# Altium PCB PCB1.PcbDoc (part 1 of 4) (continued)
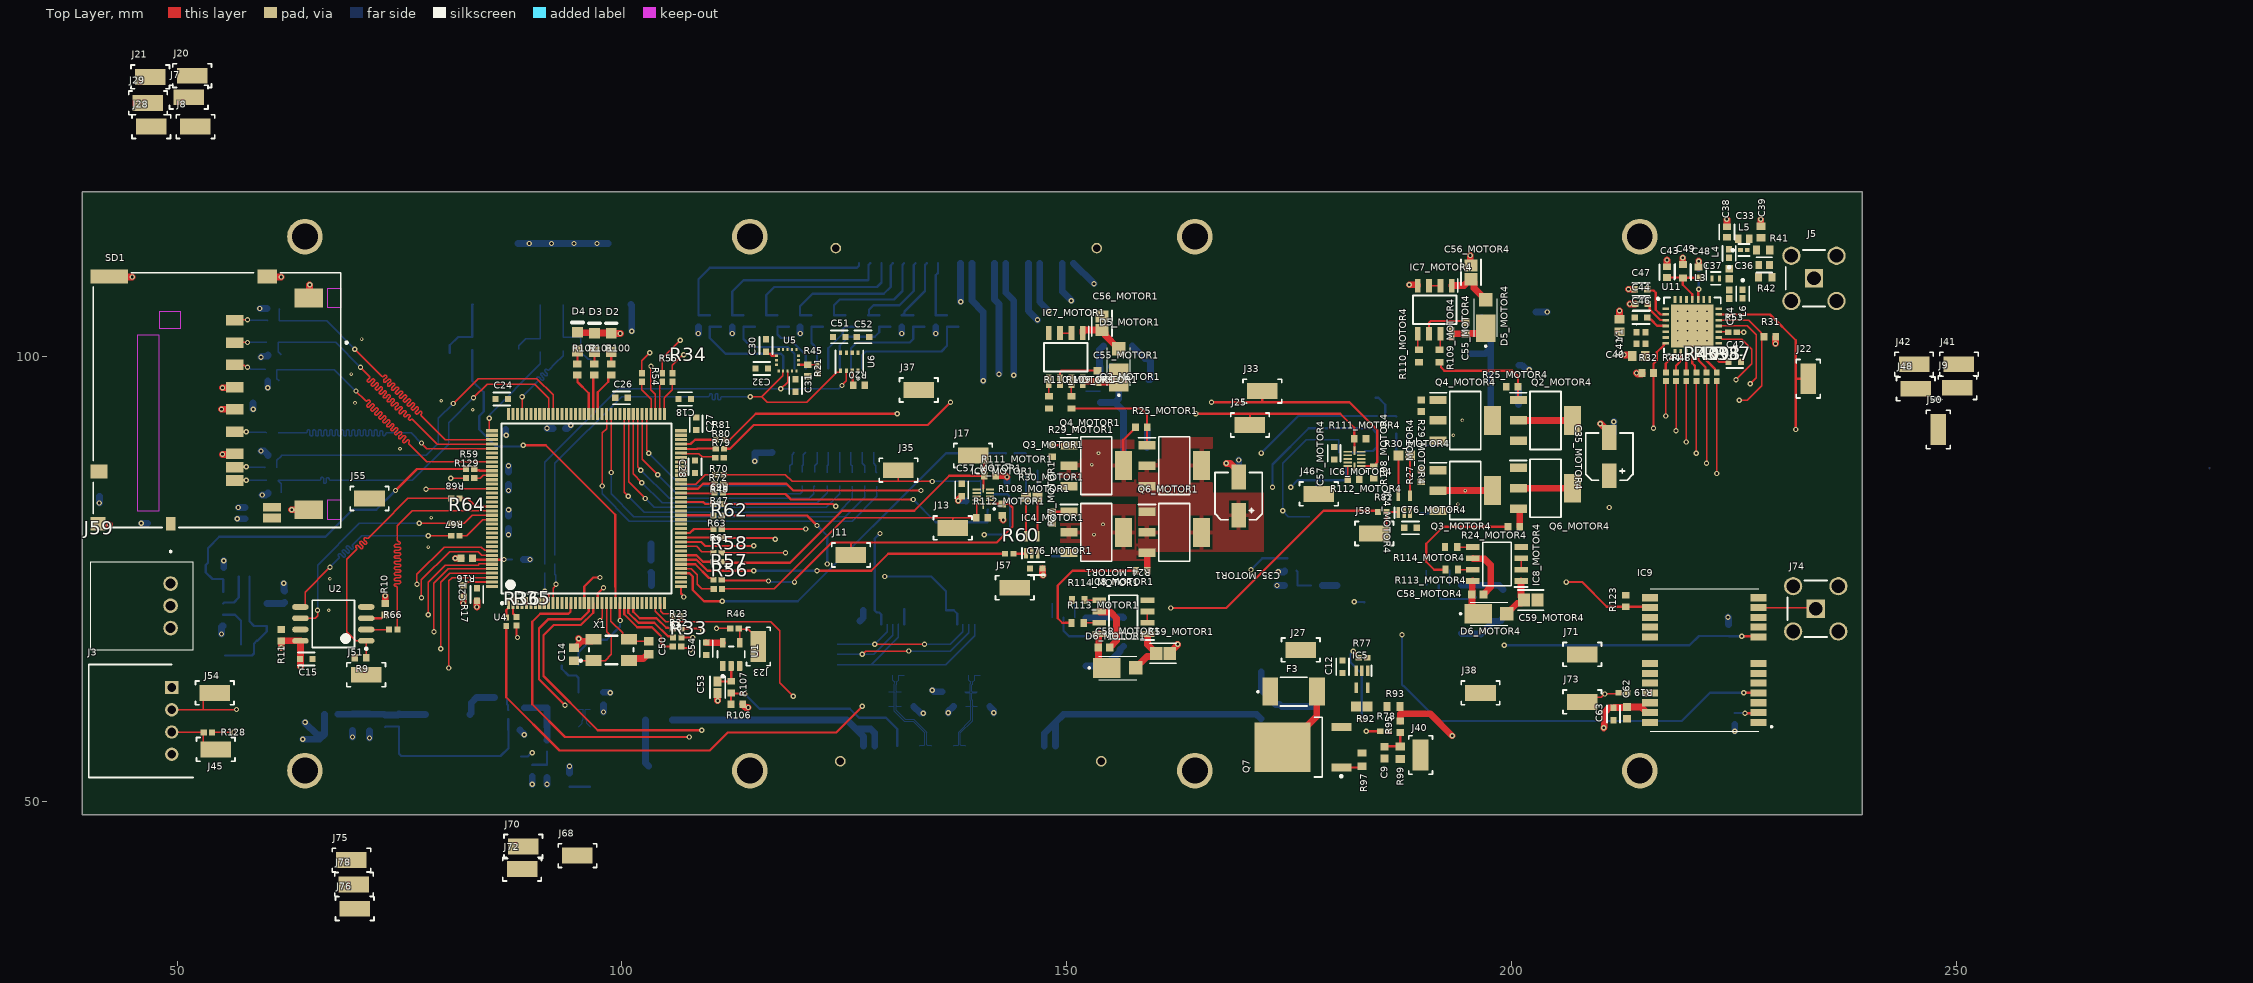
[diagram p0: Top Layer view]
## Components (designator, comment, footprint, x,y, rotation, side; value= is the part's Value field where it differs from the comment) (continued)
IC4_MOTOR3 "INA290A4QDCKRQ1" SOT65P210X110-5N 146.05,88.138 r270 bottom (schematic designator IC4)
IC4_MOTOR4 "INA290A4QDCKRQ1" SOT65P210X110-5N 187.898,83.439 r90 top (schematic designator IC4)
IC5 "INA290A4QDCKRQ1" SOT65P210X110-5N 183.134,63.754 r270 top
IC6_MOTOR1 "TMUX1072RUTR" QFN40P170X200X55-12N 140.601,84.29 r180 top (schematic designator IC6)
IC6_MOTOR2 "TMUX1072RUTR" QFN40P170X200X55-12N 181.368,88.411 r180 bottom (schematic designator IC6)
IC6_MOTOR3 "TMUX1072RUTR" QFN40P170X200X55-12N 141.085,83.712 r180 bottom (schematic designator IC6)
IC6_MOTOR4 "TMUX1072RUTR" QFN40P170X200X55-12N 182.31,88.519 r180 top (schematic designator IC6)
IC7_MOTOR1 "IR2301SPBF" SOIC127P600X175-8N#1 149.86,99.949 r270 top (schematic designator IC7)
IC7_MOTOR2 "IR2301SPBF" SOIC127P600X175-8N#1 192.405,71.628 r90 bottom (schematic designator IC7)
IC7_MOTOR3 "IR2301SPBF" SOIC127P600X175-8N#1 150.241,67.945 r90 bottom (schematic designator IC7)
IC7_MOTOR4 "IR2301SPBF" SOIC127P600X175-8N#1 191.327,105.283 r270 top (schematic designator IC7)
IC8_MOTOR1 "IR2301SPBF" SOIC127P600X175-8N#1 156.337,70.739 r180 top (schematic designator IC8)
IC8_MOTOR2 "IR2301SPBF" SOIC127P600X175-8N#1 198.075,100.957 r180 bottom (schematic designator IC8)
IC8_MOTOR3 "IR2301SPBF" SOIC127P600X175-8N#1 156.464,95.504 r180 bottom (schematic designator IC8)
IC8_MOTOR4 "IR2301SPBF" SOIC127P600X175-8N#1 198.312,76.708 r180 top (schematic designator IC8)
IC9 "NEO-7N-0-002" NEO7N0002 221.623,65.915 r0 top
IC10 "74HC7540D,112" SOIC127P1032X265-20N 122.555,93.98 r270 bottom
J1 "TFM-120-02-L-D-WT-K-TR" SAMTEC_TFM-120-02-L-D-WT-K-TR 138.684,112.205 r0 bottom
J2 "5015" FP-5015-MFG 134.239,74.295 r270 bottom
J3 "53426-0410" SHDRRA4W55P0X250_1X4_1240X1150X690P 49.403,62.825 r90 top
J4 "5015" FP-5015-MFG 63.881,76.2 r270 bottom
J5 "731000114" MOLX-731000114_V 233.934,108.804 r180 top
J6 "5015" FP-5015-MFG 66.548,57.531 r0 bottom
J7 "5015" FP-5015-MFG 51.308,129.159 r0 top
J8 "5015" FP-5015-MFG 52.07,125.857 r0 top
J9 "5015" FP-5015-MFG 250.063,96.52 r0 top
J11 "5015" FP-5015-MFG 125.73,77.724 r0 top
J12 "5015" FP-5015-MFG 176.53,96.774 r180 bottom
J13 "5015" FP-5015-MFG 137.16,80.772 r0 top
J14 "5015" FP-5015-MFG 137.287,80.137 r180 bottom
J15 "5015" FP-5015-MFG 71.628,87.503 r180 bottom
J16 "5015" FP-5015-MFG 134.62,91.186 r180 bottom
J17 "5015" FP-5015-MFG 139.446,88.9 r0 top
J18 "5015" FP-5015-MFG 93.218,65.278 r90 bottom
J19 "5015" FP-5015-MFG 178.689,77.47 r180 bottom
J20 "5015" FP-5015-MFG 51.695,131.578 r0 top
J21 "5015" FP-5015-MFG 46.99,131.445 r0 top
J22 "5015" FP-5015-MFG 233.299,97.536 r90 top
J23 "5015" FP-5015-MFG 115.316,67.437 r270 top
J24 "5015" FP-5015-MFG 177.292,82.042 r180 bottom
J25 "5015" FP-5015-MFG 170.561,92.329 r0 top
J26 "5015" FP-5015-MFG 86.995,52.197 r180 bottom
J27 "5015" FP-5015-MFG 176.276,67.056 r0 top
J28 "5015" FP-5015-MFG 47.117,125.857 r0 top
J29 "5015" FP-5015-MFG 46.736,128.524 r0 top
J32 "5015" FP-5015-MFG 133.35,96.266 r180 bottom
J33 "5015" FP-5015-MFG 171.958,96.139 r0 top
J34 "5015" FP-5015-MFG 178.054,84.709 r180 bottom
J35 "5015" FP-5015-MFG 131.064,87.249 r0 top
J36 "5015" FP-5015-MFG 184.658,95.377 r180 bottom
J37 "5015" FP-5015-MFG 133.35,96.266 r0 top
J38 "5015" FP-5015-MFG 196.469,62.23 r0 top
J39 "5015" FP-5015-MFG 184.404,74.422 r0 bottom
J40 "5015" FP-5015-MFG 189.738,55.245 r90 top
J41 "5015" FP-5015-MFG 250.226,99.156 r0 top
J42 "5015" FP-5015-MFG 245.187,99.156 r0 top
J45 "5015" FP-5015-MFG 54.356,55.88 r0 top
J46 "5015" FP-5015-MFG 178.308,84.582 r0 top
J47 "5015" FP-5015-MFG 144.018,93.218 r180 bottom
J48 "5015" FP-5015-MFG 245.364,96.393 r0 top
J49 "5015" FP-5015-MFG 53.213,76.581 r90 bottom
J50 "5015" FP-5015-MFG 247.904,91.821 r90 top
J51 "5015" FP-5015-MFG 71.247,64.262 r0 top
J54 "5015" FP-5015-MFG 54.229,62.23 r0 top
J55 "5015" FP-5015-MFG 71.628,84.074 r0 top
J56 "5015" FP-5015-MFG 196.342,62.103 r180 bottom
J57 "5015" FP-5015-MFG 144.145,74.041 r0 top
J58 "5015" FP-5015-MFG 184.531,80.137 r0 top
J59 "53426-0310" 534260310 49.276,74.509 r270 top
J62 "5015" FP-5015-MFG 80.645,100.457 r270 bottom
J63 "5015" FP-5015-MFG 96.52,99.695 r180 bottom
J64 "5015" FP-5015-MFG 88.392,100.838 r270 bottom
J67 "5015" FP-5015-MFG 223.393,64.389 r180 bottom
J68 "5015" FP-5015-MFG 94.996,43.942 r0 top
J69 "5015" FP-5015-MFG 221.361,70.866 r180 bottom
J70 "5015" FP-5015-MFG 88.9,44.958 r0 top
J71 "5015" FP-5015-MFG 207.899,66.548 r0 top
J72 "5015" FP-5015-MFG 88.773,42.418 r0 top
J73 "5015" FP-5015-MFG 207.899,61.214 r0 top
J74 "731000114" MOLX-731000114_V 234.142,71.673 r180 top
J75 "5015" FP-5015-MFG 69.596,43.434 r0 top
J76 "5015" FP-5015-MFG 69.977,37.973 r0 top
J77 "5015" FP-5015-MFG 126.111,73.533 r180 bottom
J78 "5015" FP-5015-MFG 69.881,40.703 r0 top
J79 "HTST-110-01-XX-DV" HTST-110-01-XX-DV 89.569,109.291 r180 bottom
J84 "TFM-120-02-L-D-WT-K-TR" SAMTEC_TFM-120-02-L-D-WT-K-TR 139.192,54.546 r0 bottom
L1 "7447789003" WE-PD-S-PB 80.407,59.794 r180 bottom
L3 "LQW15AN33NJ00D" FP-LQW15AN_00-W0_5-0_1-MFG 222.885,108.804 r0 top
L4 "LQG15HS10NJ02D" FP-LQG15HH_02-IPC_A 224.409,111.598 r90 top
L5 "LQG15HS6N2S02D" FP-LQG15HH_02-IPC_C 226.058,111.979 r0 top
L6 "LQG15HS6N8J02D" FP-LQG15HH_02-IPC_A 225.933,107.061 r270 top
Q1 "IPD85P04P4-07" INF-PG-TO252-3-313_L 100.711,53.975 r0 bottom
Q2_MOTOR1 "IRLL2705TRPBF" SOT230P700X180-4N 162.052,87.757 r0 top (schematic designator Q2)
Q2_MOTOR2 "IRLL2705TRPBF" SOT230P700X180-4N 203.79,84.701 r0 bottom (schematic designator Q2)
Q2_MOTOR3 "IRLL2705TRPBF" SOT230P700X180-4N 162.052,79.883 r0 bottom (schematic designator Q2)
Q2_MOTOR4 "IRLL2705TRPBF" SOT230P700X180-4N 203.773,92.837 r0 top (schematic designator Q2)
Q3_MOTOR1 "IRLL2705TRPBF" SOT230P700X180-4N 153.289,80.264 r0 top (schematic designator Q3)
Q3_MOTOR2 "IRLL2705TRPBF" SOT230P700X180-4N 194.773,92.321 r0 bottom (schematic designator Q3)
Q3_MOTOR3 "IRLL2705TRPBF" SOT230P700X180-4N 153.289,87.503 r0 bottom (schematic designator Q3)
Q3_MOTOR4 "IRLL2705TRPBF" SOT230P700X180-4N 194.756,84.963 r0 top (schematic designator Q3)
Q4_MOTOR1 "IRLL2705TRPBF" SOT230P700X180-4N 153.289,87.757 r0 top (schematic designator Q4)
Q4_MOTOR2 "IRLL2705TRPBF" SOT230P700X180-4N 194.773,84.701 r0 bottom (schematic designator Q4)
Q4_MOTOR3 "IRLL2705TRPBF" SOT230P700X180-4N 153.289,79.883 r0 bottom (schematic designator Q4)
Q4_MOTOR4 "IRLL2705TRPBF" SOT230P700X180-4N 194.756,92.837 r0 top (schematic designator Q4)
Q5 "IPD85P04P4-07" INF-PG-TO252-3-313_L 178.054,62.992 r270 bottom
Q6_MOTOR1 "IRLL2705TRPBF" SOT230P700X180-4N 162.052,80.264 r0 top (schematic designator Q6)
Q6_MOTOR2 "IRLL2705TRPBF" SOT230P700X180-4N 203.79,92.321 r0 bottom (schematic designator Q6)
Q6_MOTOR3 "IRLL2705TRPBF" SOT230P700X180-4N 162.052,87.503 r0 bottom (schematic designator Q6)
Q6_MOTOR4 "IRLL2705TRPBF" SOT230P700X180-4N 203.773,85.217 r0 top (schematic designator Q6)
Q7 "IPD85P04P4-07" INF-PG-TO252-3-313_L 176.53,56.134 r180 top
R1 "RC0603FR-0730K9L" RESC1608X55X25NL10T15 74.946,59.159 r90 bottom
R2 "WSL0603R0100FEA" RESC1508X46X38ML25T25 95.773,58.42 r180 bottom
R3 "ERJ3EKF1002V" RESC1609X55X30LL15T15 87.884,58.063 r180 bottom
R4 "CRCW04020000Z0EDHP" RESC1005X40X25ML05T10 123.698,67.691 r0 bottom
R5 "RC0603JR-070RL" RESC1608X55X25ML10T15 94.107,52.439 r270 bottom
R6 "CRCW04020000Z0EDHP" RESC1005X40X25ML05T10 123.698,66.548 r0 bottom
R7 "CRCW04020000Z0EDHP" RESC1005X40X25ML05T10 123.698,65.405 r0 bottom
R8 "CRCW04020000Z0EDHP" RESC1005X40X25ML05T10 106.139,70.866 r0 top
R9 "ERJ3EKF1002V" RESC1609X55X30LL15T15 70.612,66.167 r180 top
R10 "ERJ3EKF1002V" RESC1609X55X30LL15T15 73.406,71.628 r90 top
R11 "ERJ3EKF1002V" RESC1609X55X30LL15T15 61.722,68.707 r270 top
R12 "ERJ3EKF1002V" RESC1609X55X30LL15T15 41.275,84.963 r270 bottom
R13 "ERJ3EKF1002V" RESC1609X55X30LL15T15 47.371,81.28 r180 bottom
R14 "ERJ3EKF1002V" RESC1609X55X30LL15T15 58.293,83.058 r180 bottom
R15 "ERJ3EKF1002V" RESC1609X55X30LL15T15 58.293,81.788 r180 bottom
R16 "ERJ3EKF1002V" RESC1609X55X30LL15T15 82.55,77.343 r180 top
R17 "ERJ3EKF1002V" RESC1609X55X30LL15T15 82.169,73.66 r270 top
R18 "ERJ3EKF1002V" RESC1609X55X30LL15T15 88.265,77.216 r180 bottom
R19 "CRCW04020000Z0EDHP" RESC1005X40X25ML05T10 212.471,62.23 r0 top
R20 "ERJ3EKF1002V" RESC1609X55X30LL15T15 126.619,96.774 r0 top
R21 "ERJ3EKF1002V" RESC1609X55X30LL15T15 120.888,98.461 r270 top
R22 "CRCW04020000Z0EDHP" RESC1005X40X25ML05T10 106.205,68.453 r0 top
R23 "CRCW04020000Z0EDHP" RESC1005X40X25ML05T10 106.172,69.469 r0 top
R24_MOTOR1 "ERJ3EKF1002V" RESC1609X55X30LL15T15 158.369,75.946 r180 top (schematic designator R24)
R24_MOTOR2 "ERJ3EKF1002V" RESC1609X55X30LL15T15 200.122,96.639 r180 bottom (schematic designator R24)
R24_MOTOR3 "ERJ3EKF1002V" RESC1609X55X30LL15T15 158.384,91.821 r180 bottom (schematic designator R24)
R24_MOTOR4 "ERJ3EKF1002V" RESC1609X55X30LL15T15 200.217,80.899 r180 top (schematic designator R24)
R25_MOTOR1 "ERJ3EKF1002V" RESC1609X55X30LL15T15 158.354,92.075 r0 top (schematic designator R25)
R25_MOTOR2 "ERJ3EKF1002V" RESC1609X55X30LL15T15 200.107,80.383 r0 bottom (schematic designator R25)
R25_MOTOR3 "ERJ3EKF1002V" RESC1609X55X30LL15T15 158.354,75.565 r0 bottom (schematic designator R25)
R25_MOTOR4 "ERJ3EKF1002V" RESC1609X55X30LL15T15 200.025,96.647 r0 top (schematic designator R25)
R26 "CRCW04020000Z0EDHP" RESC1005X40X25ML05T10 92.456,77.216 r90 bottom
R27_MOTOR1 "ERJ3EKF1002V" RESC1609X55X30LL15T15 148.336,81.915 r90 top (schematic designator R27)
R27_MOTOR2 "ERJ3EKF1002V" RESC1609X55X30LL15T15 189.82,90.67 r270 bottom (schematic designator R27)
R27_MOTOR3 "ERJ3EKF1002V" RESC1609X55X30LL15T15 148.336,85.74 r270 bottom (schematic designator R27)
R27_MOTOR4 "ERJ3EKF1002V" RESC1609X55X30LL15T15 189.803,86.614 r90 top (schematic designator R27)
R28 "CRCW04020000Z0EDHP" RESC1005X40X25ML05T10 91.313,76.2 r90 bottom
R29_MOTOR1 "ERJ3EKF1002V" RESC1609X55X30LL15T15 148.336,89.408 r90 top (schematic designator R29)
R29_MOTOR2 "ERJ3EKF1002V" RESC1609X55X30LL15T15 189.82,83.05 r270 bottom (schematic designator R29)
R29_MOTOR3 "ERJ3EKF1002V" RESC1609X55X30LL15T15 148.336,78.232 r270 bottom (schematic designator R29)
R29_MOTOR4 "ERJ3EKF1002V" RESC1609X55X30LL15T15 189.803,94.488 r90 top (schematic designator R29)
R30_MOTOR1 "WSL0603R0100FEA" RESC1508X46X38ML25T25 146.05,84.201 r0 top (schematic designator R30)
R30_MOTOR2 "WSL0603R0100FEA" RESC1508X46X38ML25T25 187.661,88.384 r0 bottom (schematic designator R30)
R30_MOTOR3 "WSL0603R0100FEA" RESC1508X46X38ML25T25 146.177,83.82 r0 bottom (schematic designator R30)
R30_MOTOR4 "WSL0603R0100FEA" RESC1508X46X38ML25T25 187.898,88.9 r0 top (schematic designator R30)
R31 "ERJ3EKF1002V" RESC1609X55X30LL15T15 228.981,102.235 r0 top
R32 "ERJ3EKF1002V" RESC1609X55X30LL15T15 215.265,98.171 r180 top
R33 "CRCW04020000Z0EDHP" RESC1005X40X25ML05T10 106.172,67.437 r0 top
R34 "CRCW04020000Z0EDHP" RESC1005X40X25ML05T10 105.664,97.663 r90 top
R35 "CRCW04020000Z0EDHP" RESC1005X40X25ML05T10 88.138,70.264 r270 top
R36 "CRCW04020000Z0EDHP" RESC1005X40X25ML05T10 86.995,70.231 r270 top
R37 "CRCW04020000Z0EDHP" RESC1005X40X25ML05T10 223.012,97.757 r90 top
R38 "CRCW04020000Z0EDHP" RESC1005X40X25ML05T10 221.869,97.757 r90 top
R39 "CRCW04020000Z0EDHP" RESC1005X40X25ML05T10 220.726,97.757 r90 top
R40 "CRCW04020000Z0EDHP" RESC1005X40X25ML05T10 219.583,97.757 r90 top
R41 "RC0603JR-070RL" RESC1608X55X25ML10T15 228.219,111.979 r0 top
R42 "RC0603JR-070RL" RESC1608X55X25ML10T15 228.473,108.931 r0 top
R43 "CRCW04020000Z0EDHP" RESC1005X40X25ML05T10 218.44,97.757 r90 top
R44 "CRCW04020000Z0EDHP" RESC1005X40X25ML05T10 217.297,97.757 r90 top
R45 "CRCW04020000Z0EDHP" RESC1005X40X25ML05T10 122.047,98.552 r90 top
R46 "CRCW04020000Z0EDHP" RESC1005X40X25ML05T10 112.649,69.469 r0 top
R47 "CRCW04020000Z0EDHP" RESC1005X40X25ML05T10 110.744,82.169 r0 top
R48 "CRCW04020000Z0EDHP" RESC1005X40X25ML05T10 110.744,83.439 r0 top
R49 "CRCW04020000Z0EDHP" RESC1005X40X25ML05T10 140.843,72.009 r270 bottom
R50 "CRCW04020000Z0EDHP" RESC1005X40X25ML05T10 131.699,72.136 r270 bottom
R51 "CRCW04020000Z0EDHP" RESC1005X40X25ML05T10 126.365,64.135 r0 bottom
R52 "CRCW04020000Z0EDHP" RESC1005X40X25ML05T10 134.874,64.262 r0 bottom
R53 "CRCW04020000Z0EDHP" RESC1005X40X25ML05T10 224.79,102.743 r180 top
R54 "CRCW04020000Z0EDHP" RESC1005X40X25ML05T10 102.235,97.663 r90 top
R55 "CRCW04020000Z0EDHP" RESC1005X40X25ML05T10 104.521,97.663 r90 top
R56 "CRCW04020000Z0EDHP" RESC1005X40X25ML05T10 110.777,73.914 r180 top
R57 "CRCW04020000Z0EDHP" RESC1005X40X25ML05T10 110.744,74.93 r180 top
R58 "CRCW04020000Z0EDHP" RESC1005X40X25ML05T10 110.744,76.962 r180 top
R59 "CRCW04020000Z0EDHP" RESC1005X40X25ML05T10 82.931,87.376 r180 top
R60 "CRCW04020000Z0EDHP" RESC1005X40X25ML05T10 143.51,77.851 r180 top
R61 "CRCW04020000Z0EDHP" RESC1005X40X25ML05T10 110.744,77.978 r180 top
R62 "CRCW04020000Z0EDHP" RESC1005X40X25ML05T10 110.744,80.645 r180 top
R63 "CRCW04020000Z0EDHP" RESC1005X40X25ML05T10 110.744,79.629 r180 top
R64 "CRCW04020000Z0EDHP" RESC1005X40X25ML05T10 81.28,81.28 r180 top
R65 "CRCW04020000Z0EDHP" RESC1005X40X25ML05T10 185.293,93.345 r180 bottom
R66 "CRCW04020000Z0EDHP" RESC1005X40X25ML05T10 74.295,69.342 r180 top
R67 "CRCW04020000Z0EDHP" RESC1005X40X25ML05T10 81.28,79.883 r180 top
R68 "CRCW04020000Z0EDHP" RESC1005X40X25ML05T10 81.28,84.074 r180 top
R69 "CRCW04020000Z0EDHP" RESC1005X40X25ML05T10 110.965,86.741 r180 top
R70 "CRCW04020000Z0EDHP" RESC1005X40X25ML05T10 110.904,85.725 r180 top
R71 "CRCW04020000Z0EDHP" RESC1005X40X25ML05T10 95.123,64.389 r270 bottom
R72 "CRCW04020000Z0EDHP" RESC1005X40X25ML05T10 110.871,84.709 r180 top
R73 "CRCW04020000Z0EDHP" RESC1005X40X25ML05T10 88.646,54.61 r270 bottom
R74 "CRCW04020000Z0EDHP" RESC1005X40X25ML05T10 183.896,72.39 r0 bottom
R75 "CRCW04020000Z0EDHP" RESC1005X40X25ML05T10 143.637,89.154 r180 bottom
R76 "CRCW04020000Z0EDHP" RESC1005X40X25ML05T10 175.26,77.343 r0 bottom
R77 "CRCW04020000Z0EDHP" RESC1005X40X25ML05T10 183.261,66.167 r0 top
R78 "CRCW04020000Z0EDHP" RESC1005X40X25ML05T10 185.674,57.912 r0 top
R79 "CRCW04020000Z0EDHP" RESC1005X40X25ML05T10 110.965,88.646 r180 top
R80 "CRCW04020000Z0EDHP" RESC1005X40X25ML05T10 110.998,89.662 r180 top
R81 "CRCW04020000Z0EDHP" RESC1005X40X25ML05T10 111.031,90.678 r180 top
R82 "CRCW04020000Z0EDHP" RESC1005X40X25ML05T10 185.42,82.55 r180 top
R83 "CRCW04020000Z0EDHP" RESC1005X40X25ML05T10 118.872,86.327 r270 bottom
R84 "CRCW04020000Z0EDHP" RESC1005X40X25ML05T10 120.269,86.36 r270 bottom
R85 "CRCW04020000Z0EDHP" RESC1005X40X25ML05T10 121.666,86.36 r270 bottom
R86 "RC0603JR-070RL" RESC1608X55X25ML10T15 92.341,58.42 r180 bottom
R87 "ERJ3EKF1002V" RESC1609X55X30LL15T15 91.567,56.261 r90 bottom
R88 "RC0603JR-070RL" RESC1608X55X25ML10T15 67.31,59.817 r180 bottom
R89 "ERJ-3EKF2001V" RESC1608X55X30ML15T15 91.567,53.43 r90 bottom
R90 "WSL0603R0100FEA" RESC1508X46X38ML25T25 180.34,70.358 r90 bottom
R91 "RC0603JR-070RL" RESC1608X55X25ML10T15 180.34,73.533 r90 bottom
R92 "WSL0603R0100FEA" RESC1508X46X38ML25T25 183.134,60.706 r180 top
R93 "RC0603JR-070RL" RESC1608X55X25ML10T15 186.69,60.706 r0 top
R94 "ERJ3EKF1002V" RESC1609X55X30LL15T15 178.039,74.295 r0 bottom
R95 "ERJ3EKF1002V" RESC1609X55X30LL15T15 187.452,58.42 r90 top
R96 "RC0603JR-070RL" RESC1608X55X25ML10T15 176.403,69.596 r180 bottom
R97 "RC0603JR-070RL" RESC1608X55X25ML10T15 183.134,54.737 r270 top
R98 "ERJ-3EKF2001V" RESC1608X55X30ML15T15 175.17,74.295 r0 bottom
R99 "ERJ-3EKF2001V" RESC1608X55X30ML15T15 187.452,55.499 r90 top
R100 "CRCW060390R9FKEA" RESC1609X50X30NL10T20 98.806,98.552 r270 top
R101 "CRCW060390R9FKEA" RESC1609X50X30NL10T20 96.901,98.552 r270 top
R102 "CRCW060390R9FKEA" RESC1609X50X30NL10T20 94.996,98.552 r270 top
R103 "RC0603JR-070RL" RESC1608X55X25ML10T15 93.379,101.417 r270 bottom
R104 "RC0603JR-070RL" RESC1608X55X25ML10T15 90.839,101.29 r270 bottom
R105 "RC0603JR-070RL" RESC1608X55X25ML10T15 83.185,101.473 r90 bottom
R106 "ERJ3EKF1002V" RESC1609X55X30LL15T15 112.903,60.96 r0 top
R107 "ERJ3EKF1002V" RESC1609X55X30LL15T15 112.268,62.865 r270 top
R108_MOTOR1 "ERJ3EKF1002V" RESC1609X55X30LL15T15 142.748,82.804 r270 top (schematic designator R108)
R108_MOTOR2 "ERJ3EKF1002V" RESC1609X55X30LL15T15 183.515,90.043 r90 bottom (schematic designator R108)
R108_MOTOR3 "ERJ3EKF1002V" RESC1609X55X30LL15T15 143.256,85.202 r90 bottom (schematic designator R108)
R108_MOTOR4 "ERJ3EKF1002V" RESC1609X55X30LL15T15 184.469,86.995 r270 top (schematic designator R108)
R109_MOTOR1 "RC0603FR-0710RL" RESC1608X55X25NL10T15 150.495,94.869 r270 top (schematic designator R109)
R109_MOTOR2 "RC0603FR-0710RL" RESC1608X55X25NL10T15 193.04,76.77 r90 bottom (schematic designator R109)
R109_MOTOR3 "RC0603FR-0710RL" RESC1608X55X25NL10T15 150.876,73.09 r90 bottom (schematic designator R109)
R109_MOTOR4 "RC0603FR-0710RL" RESC1608X55X25NL10T15 191.835,100.076 r270 top (schematic designator R109)
R110_MOTOR1 "RC0603FR-0710RL" RESC1608X55X25NL10T15 147.955,94.869 r270 top (schematic designator R110)
R110_MOTOR2 "RC0603FR-0710RL" RESC1608X55X25NL10T15 190.373,76.708 r90 bottom (schematic designator R110)
R110_MOTOR3 "RC0603FR-0710RL" RESC1608X55X25NL10T15 148.336,73.025 r90 bottom (schematic designator R110)
R110_MOTOR4 "RC0603FR-0710RL" RESC1608X55X25NL10T15 189.549,100.076 r270 top (schematic designator R110)
R111_MOTOR1 "ERJ3EKF1002V" RESC1609X55X30LL15T15 141.351,86.614 r0 top (schematic designator R111)
R111_MOTOR2 "ERJ3EKF1002V" RESC1609X55X30LL15T15 181.991,86.106 r0 bottom (schematic designator R111)
R111_MOTOR3 "ERJ3EKF1002V" RESC1609X55X30LL15T15 141.732,81.407 r0 bottom (schematic designator R111)
R111_MOTOR4 "ERJ3EKF1002V" RESC1609X55X30LL15T15 182.945,90.805 r0 top (schematic designator R111)
R112_MOTOR1 "ERJ3EKF1002V" RESC1609X55X30LL15T15 140.462,81.915 r180 top (schematic designator R112)
R112_MOTOR2 "ERJ3EKF1002V" RESC1609X55X30LL15T15 181.214,90.678 r180 bottom (schematic designator R112)
R112_MOTOR3 "ERJ3EKF1002V" RESC1609X55X30LL15T15 140.985,86.106 r180 bottom (schematic designator R112)
R112_MOTOR4 "ERJ3EKF1002V" RESC1609X55X30LL15T15 182.183,86.233 r180 top (schematic designator R112)
R113_MOTOR1 "RC0603FR-0710RL" RESC1608X55X25NL10T15 151.195,70.104 r180 top (schematic designator R113)
R113_MOTOR2 "RC0603FR-0710RL" RESC1608X55X25NL10T15 192.93,101.592 r180 bottom (schematic designator R113)
R113_MOTOR3 "RC0603FR-0710RL" RESC1608X55X25NL10T15 151.384,96.139 r180 bottom (schematic designator R113)
R113_MOTOR4 "RC0603FR-0710RL" RESC1608X55X25NL10T15 193.232,76.073 r180 top (schematic designator R113)
R114_MOTOR1 "RC0603FR-0710RL" RESC1608X55X25NL10T15 151.257,72.644 r180 top (schematic designator R114)
R114_MOTOR2 "RC0603FR-0710RL" RESC1608X55X25NL10T15 192.933,99.052 r180 bottom (schematic designator R114)
R114_MOTOR3 "RC0603FR-0710RL" RESC1608X55X25NL10T15 151.322,93.599 r180 bottom (schematic designator R114)
R114_MOTOR4 "RC0603FR-0710RL" RESC1608X55X25NL10T15 193.167,78.613 r180 top (schematic designator R114)
R115 "ERJ3EKF1002V" RESC1609X55X30LL15T15 55.245,75.677 r90 bottom
R116 "ERJ-3GEYJ155V" RESC1608X55X30ML15T15 57.912,67.676 r180 bottom
R117 "ERJ-3EKF1503V" RESC1608X55X30NL15T15 54.737,66.421 r180 bottom
R118 "CRCW04020000Z0EDHP" RESC1005X40X25ML05T10 122.936,86.327 r270 bottom
R119 "RC0603FR-074K7L" RESC1608X55X25LL10T15 90.678,74.549 r180 bottom
R120 "RC0603FR-074K7L" RESC1608X55X25LL10T15 93.091,75.565 r0 bottom
R121 "ERJ3EKF1002V" RESC1609X55X30LL15T15 224.363,69.26 r90 bottom
R122 "ERJ3EKF1002V" RESC1609X55X30LL15T15 225.044,59.309 r270 bottom
R123 "ERJ3EKF1002V" RESC1609X55X30LL15T15 212.806,72.562 r270 top
R124 "CRCW04020000Z0EDHP" RESC1005X40X25ML05T10 124.46,86.327 r270 bottom
R125 "CRCW04020000Z0EDHP" RESC1005X40X25ML05T10 125.857,86.266 r270 bottom
R126 "CRCW04020000Z0EDHP" RESC1005X40X25ML05T10 127.254,86.266 r270 bottom
R127 "CRCW04020000Z0EDHP" RESC1005X40X25ML05T10 128.524,86.327 r270 bottom
R128 "CRCW04020000Z0EDHP" RESC1005X40X25ML05T10 53.467,57.785 r0 top
R129 "CRCW04020000Z0EDHP" RESC1005X40X25ML05T10 82.931,86.36 r0 top
R144 "ERA3AEB104V" RESC1608X55X30ML20T20 96.046,102.052 r0 bottom
R145 "ERJ3EKF1002V" RESC1609X55X30LL15T15 127.762,71.501 r180 bottom
R146 "ERJ3EKF1002V" RESC1609X55X30LL15T15 135.763,71.501 r180 bottom
R147 "ERJ3EKF1002V" RESC1609X55X30LL15T15 108.585,104.013 r270 bottom
R148 "ERJ3EKF1002V" RESC1609X55X30LL15T15 112.395,104.013 r270 bottom
R149 "ERJ3EKF1002V" RESC1609X55X30LL15T15 116.205,104.013 r270 bottom
R150 "ERJ3EKF1002V" RESC1609X55X30LL15T15 120.015,104.013 r270 bottom
R151 "ERJ3EKF1002V" RESC1609X55X30LL15T15 109.855,104.013 r90 bottom
R152 "ERJ3EKF1002V" RESC1609X55X30LL15T15 113.665,104.013 r90 bottom
R153 "ERJ3EKF1002V" RESC1609X55X30LL15T15 117.475,104.013 r90 bottom
R154 "ERJ3EKF1002V" RESC1609X55X30LL15T15 121.285,104.013 r90 bottom
R155 "ERJ3EKF1002V" RESC1609X55X30LL15T15 123.825,104.013 r270 bottom
R156 "ERJ3EKF1002V" RESC1609X55X30LL15T15 127.635,104.013 r270 bottom
R157 "ERJ3EKF1002V" RESC1609X55X30LL15T15 131.445,104.013 r270 bottom
R158 "ERJ3EKF1002V" RESC1609X55X30LL15T15 135.255,104.013 r270 bottom
R159 "ERJ3EKF1002V" RESC1609X55X30LL15T15 125.095,104.013 r90 bottom
R160 "ERJ3EKF1002V" RESC1609X55X30LL15T15 128.905,104.013 r90 bottom
R161 "ERJ3EKF1002V" RESC1609X55X30LL15T15 132.715,104.013 r90 bottom
R162 "ERJ3EKF1002V" RESC1609X55X30LL15T15 136.525,104.013 r90 bottom
R163 "ERJ-3EKF4992V" RESC1608X55X30ML15T15 60.833,105.41 r180 bottom
R164 "ERJ-3EKF4992V" RESC1608X55X30ML15T15 60.96,84.709 r180 bottom
R165 "ERJ-3EKF4992V" RESC1608X55X30ML15T15 60.96,88.9 r180 bottom
R166 "ERJ-3EKF4992V" RESC1608X55X30ML15T15 60.96,100.203 r180 bottom
R167 "ERJ3EKF1002V" RESC1609X55X30LL15T15 60.833,97.282 r180 bottom
R168 "ERJ-3EKF22R0V" RESC1608X55X30LL15T15 60.706,101.6 r180 bottom
R169 "ERJ-3EKF22R0V" RESC1608X55X30LL15T15 60.579,98.552 r180 bottom
R170 "ERJ-3EKF22R0V" RESC1608X55X30LL15T15 60.706,91.44 r180 bottom
R171 "ERJ-3EKF22R0V" RESC1608X55X30LL15T15 60.579,87.503 r180 bottom
R172 "ERJ-3EKF22R0V" RESC1608X55X30LL15T15 60.706,86.106 r180 bottom
R173 "ERJ-3EKF22R0V" RESC1608X55X30LL15T15 60.833,104.013 r180 bottom
SD1 "503500-0991" MOLX-503500-0991_V 52.959,95.123 r270 top
U1 "SN74LVC1G17DBVT" FP-DBV0005A-MFG 112.268,66.548 r90 top
U2 "S25FL127SABMFI101" SPSN-SO-8_M 67.564,69.977 r180 top
U4 "STM32F746ZGT6" STM-LQFP144_V 96.012,82.931 r90 top
U5 "ICM-20602" INSE-I62-16 118.602,99.604 r90 top
U6 "BME280" FP-BME280-MFG 125.547,99.432 r270 top
U7 "RE46C100S8F" SOIC127P600X175-8N#2 57.641,71.644 r180 bottom
U8 "MAX31856MUD+" FP-U14-2-MFG 130.429,67.056 r90 bottom
U9 "MAX31856MUD+" FP-U14-2-MFG 138.961,67.068 r90 bottom
U11 "SX1276IMLTRT" SMTC-QFN-28_V 220.272,103.455 r0 top
X1 "ABM3B-16.000MHZ-B2-T" ABRA-ABM3B-4_V 98.806,67.056 r0 top
Y1 "ABM11-32.000MHZ-D2X-T3" ABM1132000MHZD2XT3 214.495,102.093 r270 top

## Footprints (in the part's own frame and the unit in brackets; to place one, negate y for a bottom-side part, rotate by r counter-clockwise, add the part's x,y. Pads: shape width x height; smd on the part's side, far side on the other; paste and mask are expansions set on the pad)
1812L010DR [mm]
  rect 1.78x3.15 smd: 1(-2.615,0) 2(2.615,0)
  silkscreen extent -4.1,-1.62 1.5,1.62, body extent -2.28,-1.63 2.28,1.63, height 1.34
534260310 [mm]
  round 1.65 hole 1.1: 1(0,0) 2(2.5,0) 3(5,0)
  silkscreen extent -3.7,-8.95 7.45,2.54, body extent -2.45,-8.95 7.45,2.55, height 7
ABM1132000MHZD2XT3 [mm]
  rect 0.75x0.65 smd: 1(-0.65,-0.5) 2(0.65,-0.5) 3(0.65,0.5) 4(-0.65,0.5)
  silkscreen extent -1.6,-0.55 -1.5,-0.45, body extent -1,-0.8 1,0.8, height 0.69
ABRA-ABM3B-4_V [mm] "SMD, 4-Leads, Body 5x3.2mm"
  rect 1.8x1.2 smd: 1(-2,-1.2) 2(2,-1.2) 3(2,1.2) 4(-2,1.2)
  silkscreen extent -3.57,-1.6 2.5,1.6, body extent -2.5,-1.59 2.5,1.59, height 1.13
AVAG-HSMX-C170_V [mm] "SMD, 2-Leads, Body 2x1.25mm, Height 0.8mm"
  rect 1.2x1.2 smd: 1(-1.05,0) 2(1.05,0)
  silkscreen extent 2.15,-0.63 2.15,0.63, body extent -1,-0.63 1,0.63, height 0.8
CAPC1005X56X25ML10T15 [mm] "Chip Capacitor, 2-Leads, Body 1.00x0.50mm, IPC Low Density"
  rect 0.78x0.74 smd: 1(-0.49,0) 2(0.49,0)
  body extent -0.55,-0.3 0.55,0.3, height 0.56
CAPC1508X91X25LL25T13 [mm] "Chip Capacitor, 2-Leads, Body 1.52x0.76mm, IPC High Density"
  rect 0.74x0.92 smd: 1(-0.62,0) 2(0.62,0)
  body extent -0.88,-0.51 0.89,0.51, height 0.91
CAPC1508X91X25NL25T13 [mm] "Chip Capacitor, 2-Leads, Body 1.52x0.76mm, IPC Medium Density"
  rect 0.84x1.02 smd: 1(-0.67,0) 2(0.67,0)
  body extent -0.89,-0.51 0.88,0.5, height 0.91
CAPC1608X90X35LL15T15 [mm] "Chip Capacitor, 2-Leads, Body 1.60x0.81mm, IPC High Density"
  rect 0.85x0.9 smd: 1(-0.65,0) 2(0.65,0)
  body extent -0.88,-0.48 0.87,0.48, height 0.9
CAPC1608X90X35NL10T15 [mm] "Chip Capacitor, 2-Leads, Body 1.60x0.80mm, IPC Medium Density"
  rect 0.85x0.95 smd: 1(-0.675,0) 2(0.675,0)
  body extent -0.85,-0.45 0.85,0.45, height 0.9
CAPC1608X90X40LL10T20 [mm] "Chip Capacitor, 2-Leads, Body 1.70x0.90mm, IPC High Density"
  rect 0.85x0.85 smd: 1(-0.575,0) 2(0.575,0)
  body extent -0.85,-0.45 0.85,0.45, height 0.9
CAPC1608X92X38ML15T08 [mm] "Chip Capacitor, 2-Leads, Body 1.60x0.80mm, IPC Low Density"
  rect 0.95x1.1 smd: 1(-0.725,0) 2(0.725,0)
  body extent -0.87,-0.48 0.87,0.47, height 0.92
FP-1210L110-16WR-MFG [mm]
  rect 1x2.5 smd paste+0 mask+0: 1(-1.5,0) 2(1.5,0)
  silkscreen extent -0.63,-1.4 0.63,1.4, body extent -1.61,-1.29 1.62,1.29, height 1.25
FP-5015-MFG [mm]
  rect 3.43x1.78 smd paste+0 mask+0: 1(0,0)
  silkscreen extent -2.16,-1.34 2.17,1.34
FP-BLE18-0_15-t0_6-MFG [mm]
  rect 0.65x0.7 smd paste+0 mask+0: 1(-0.675,0) 2(0.675,0)
  silkscreen extent -0.87,-0.8 0.87,0.8, body extent -0.8,-0.4 0.8,0.4, height 0.75
FP-BME280-MFG [mm]
  rect 0.5x0.35 smd paste+0 mask+0: 1(1.025,0.975) 2(1.025,0.325) 3(1.025,-0.325) 4(1.025,-0.975) 5(-1.025,-0.975) 6(-1.025,-0.325) 7(-1.025,0.325) 8(-1.025,0.975)
  silkscreen extent -1.3,-1.55 1.97,1.55
FP-C0603C-CF-MFG [mm]
  rect 0.75x0.9 smd paste+0 mask+0: 1(-0.6,0) 2(0.6,0)
  silkscreen extent -0.87,-0.85 0.88,0.85, body extent -1.2,-0.6 1.2,0.6, height 0.25
FP-C1608-080-0_1-IPC_B [mm]
  rect 1.131x0.912 smd paste+0 mask+0: 1(-0.641,0) 2(0.641,0)
  silkscreen extent -1.21,-0.86 1.21,0.86, body extent -0.8,-0.4 0.8,0.4, height 0.9
FP-C1608-080-0_1-MFG [mm]
  rect 0.7x0.7 smd paste+0 mask+0: 1(-0.7,0) 2(0.7,0)
  silkscreen extent -0.8,-0.75 0.8,0.75, body extent -0.8,-0.4 0.8,0.4, height 0.9
FP-C2012-125-0_2-IPC_B [mm]
  rect 1.378x1.456 smd paste+0 mask+0: 1(-0.764,0) 2(0.764,0)
  silkscreen extent -1.45,-1.13 1.45,1.13, body extent -1,-0.63 1,0.62, height 1.45
FP-C2012-125-MFG [mm]
  rect 0.8x1.05 smd paste+0 mask+0: 1(-0.925,0) 2(0.925,0)
  silkscreen extent -0.15,-0.72 0.15,0.72, body extent -1,-0.63 1,0.62, height 1.45
FP-CC0603-DA-MFG [mm]
  rect 0.8x0.9 smd paste+0 mask+0: 1(-0.75,0) 2(0.75,0)
  silkscreen extent -0.85,-0.85 0.85,0.85, body extent -1.35,-0.75 1.35,0.75, height 0.25
FP-CGA3E-0_3-0_1-MFG [mm]
  rect 0.7x0.7 smd paste+0 mask+0: 1(-0.7,0) 2(0.7,0)
  silkscreen extent -0.95,-0.72 0.95,0.72, body extent -0.8,-0.4 0.8,0.4, height 1.1
FP-DBV0005A-MFG [mm]
  rrect17% 1.1x0.6 smd paste+0 mask+0: 1(-1.3,0.95) 2(-1.3,0) 3(-1.3,-0.95) 4(1.3,-0.95) 5(1.3,0.95)
  silkscreen extent -2.57,-1.53 0.87,1.53, body extent -1.4,-1.45 1.4,1.45, height 1.45
FP-LQG15HH_02-IPC_A [mm]
  rect 0.715x0.672 smd paste+0 mask+0: 1(-0.479,0) 2(0.479,0)
  silkscreen extent -1.66,-0.74 0.84,0.74, body extent -1.04,-0.54 1.04,0.54, height 0.25
FP-LQG15HH_02-IPC_C [mm]
  rect 0.515x0.472 smd paste+0 mask+0: 1(-0.379,0) 2(0.379,0)
  silkscreen extent -1.36,-0.67 0.64,0.67, body extent -0.74,-0.38 0.74,0.38, height 0.25
FP-LQW15AN_00-W0_5-0_1-MFG [mm]
  rect 0.35x0.65 smd paste+0 mask+0: 1(-0.425,0) 2(0.425,0)
  silkscreen extent -0.55,-0.71 0.55,0.7, body extent -0.7,-0.43 0.7,0.43, height 0.25
FP-U14-2-MFG [mm]
  rect 1.4x0.35 smd paste+0 mask+0: 1(-2.875,1.95) 2(-2.875,1.3) 3(-2.875,0.65) 4(-2.875,0) 5(-2.875,-0.65) 6(-2.875,-1.3) 7(-2.875,-1.95) 8(2.875,-1.95) 9(2.875,-1.3) 10(2.875,-0.65) 11(2.875,0) 12(2.875,0.65) 13(2.875,1.3) 14(2.875,1.95)
  silkscreen extent -4.3,-2.55 2.25,2.55